# Allegro board gps_interface_boardv46ph.brd (continued)
## Routing (per net, layer and track width the routed paths; a pad name or vN(x,y) marks a point on that pad's centre or on a via; arc(x,y) is an arc through that point) (continued)
  BOTTOM w0.33: J8.G24 v1(147.96,11.14)
FMC.CLK_FILTER_A: length 122.2
  TOP w0.203: U18.16 103.19,35.35 102.87,35.66 102.87,41.05 v1(101.63,42.29) ; v1(93.57,120.19) 93.57,131.95 91.16,134.37 81.71,134.37 U1.1
  BOTTOM w0.203: v1(101.63,42.29) 92.23,42.29 91.39,43.12 91.39,102.32 93.57,104.5 v1(93.57,120.19)
FMC.CLK_FILTER_B: length 148.3
  TOP w0.203: v1(104.49,41.06) 103.76,40.33 103.76,38.99 104.49,38.26 U18.14 ; U1.6 76.15,133.99 76.15,138.96 78.05,140.87 86.28,140.87 90.27,136.88 92.18,136.88 96.7,132.36 96.7,120.47 95.68,119.46 92.79,119.46 v1(92.76,119.48)
  BOTTOM w0.203: v1(92.76,119.48) 92.76,105.18 90.74,103.16 90.74,42.16 91.84,41.06 v1(104.49,41.06)
FMC.CLK_FROM_FPGA_N: length 153.7
  TOP w0.33: v1(165.74,11.14) 165.74,11.76 166.1,12.13 166.1,13.12 164.82,14.4 164.82,28.96 177.85,41.99 177.85,43.71 v1(177.46,44.1) ; v1(98.64,53.54) 98.2,53.98 98.2,63.22 98.83,63.86 98.83,71.84 100.2,73.2 102.45,73.2 102.75,72.9 C2736.1
  SIG w0.203: v1(98.64,53.54) 98.13,53.04 98.13,47.43 101.9,43.66 172.95,43.66 174.12,42.49 177.32,42.49 177.95,43.13 177.95,43.3 177.96,43.31 177.96,43.6 v1(177.46,44.1)
  BOTTOM w0.33: J8.G10 v1(165.74,11.14)
FMC.CLK_FROM_FPGA_P: length 156.1
  TOP w0.33: C2735.1 102.75,74.04 102.45,73.74 99.97,73.74 98.3,72.06 98.3,64.08 97.66,63.44 97.66,53.98 v1(97.22,53.54) ; v1(178.87,44.1) 178.78,44.1 178.38,43.71 178.38,41.77 165.35,28.74 165.35,14.62 166.64,13.34 166.64,12.13 167,11.76 v1(167,11.14)
  SIG w0.203: v1(178.87,44.1) 178.37,43.6 178.37,43.14 178.36,43.13 178.36,42.96 177.49,42.09 173.95,42.09 172.78,43.26 101.74,43.26 97.73,47.27 97.73,53.04 v1(97.22,53.54)
  BOTTOM w0.33: J8.G9 v1(167,11.14)
FMC.CLK_GEN_INTR*: length 54.8
  TOP w0.203: v1(106.3,78.33) 106.5,78.13 U48.12 ; U17.4 113.28,37.54 113.69,37.95 113.69,39.07 v1(113.28,39.47)
  BOTTOM w0.203: v1(106.3,78.33) 106.48,78.16 109.78,78.16 110.54,77.39 112.37,77.39 112.7,77.06 112.7,70 111.58,68.88 111.58,41.17 v1(113.28,39.47)
FMC.CLK_GEN_LOL*: length 85.2
  TOP w0.203: U48.47 122.15,83.13 122.43,83.41 v1(125.37,83.41) ; U17.5 v1(112.63,38.25)
  SIG w0.203: v1(125.37,83.41) 122.25,83.41 121.23,82.4 104.09,82.4 101.4,79.71 101.4,67.69 v1(105.02,64.07)
  BOTTOM w0.203: v1(112.63,38.25) 109.47,41.41 109.47,49.3 105.51,53.26 105.51,57.35 101.8,61.06 101.8,62.82 Q1.1 v1(105.02,64.07)
FMC.CLK_GEN_RST*: length 85.6
  TOP w0.203: v1(98.96,43.74) 104.7,43.74 106.55,41.88 106.55,40.08 105.69,39.22 105.69,37.26 105.79,37.17 U18.12 ; v1(104.98,81.13) U48.6
  BOTTOM w0.203: v1(98.96,43.74) 92.76,43.74 92.15,44.35 92.15,84.89 93.79,86.53 101.05,86.53 104.98,82.6 v1(104.98,81.13)
FMC.CLK_TO_FPGA_N: length 128.6
  TOP w0.203: 125.07,80.7 125,80.76 122.11,80.76 121.26,81.62 120.28,81.62 120.26,81.63 U48.44
  TOP w0.33: 125.07,80.7 126.54,79.22 126.54,56.63 124.21,54.3 124.21,42.55 v1(123.85,42.19) ; v1(174.62,11.04) 174.62,11.37 175.92,12.67 175.92,29.96 v1(175.48,30.4)
  SIG w0.203: v1(175.48,30.4) 175.98,30.91 175.98,35.65 172.67,38.96 125.73,38.96 124.28,40.41 124.28,41.75 v1(123.85,42.19)
  BOTTOM w0.33: J8.G3 v1(174.62,11.04)
FMC.CLK_TO_FPGA_P: length 129.2
  TOP w0.203: U48.45 120.26,82.13 120.28,82.15 121.3,82.15 122.28,81.17 125.35,81.17
  TOP w0.33: v1(125.12,42.19) 124.74,42.57 124.74,54.08 127.08,56.41 127.08,79.44 125.35,81.17 ; v1(176.89,30.4) 176.45,29.96 176.45,12.45 175.9,11.89 v1(175.9,11.04)
  SIG w0.203: v1(125.12,42.19) 124.69,41.75 124.69,40.58 125.9,39.37 172.84,39.37 176.39,35.82 176.39,30.91 v1(176.89,30.4)
  BOTTOM w0.33: J8.G2 v1(175.9,11.04)
FMC.DATA_TO_FF_N0: length 162.1
  TOP w0.178: 278.68,83.76 279.64,83.76 279.66,83.77 U22.3
  TOP w0.33: 278.68,83.76 277.07,83.76 275.36,82.05 275.36,65.11 276,64.47 276.47,64.47 v1(276.91,64.9)
  BOTTOM w0.33: J8.H8 168.64,13.7 168.64,26.23 180.39,37.97 241.64,37.97 268.13,64.47 276.47,64.47 v1(276.91,64.9)
FMC.DATA_TO_FF_N1: length 156.1
  TOP w0.178: U26.3 257.59,83.87 257.57,83.86 256.6,83.86
  TOP w0.33: v1(262.1,66.48) 261.66,66.04 256.89,66.04 252.58,70.35 252.58,77.5 254.36,79.28 254.36,83.22 255,83.86 256.6,83.86
  BOTTOM w0.33: J8.H11 164.83,13.7 164.83,25.69 179.73,40.59 234.75,40.59 260.2,66.04 261.66,66.04 v1(262.1,66.48)
FMC.DATA_TO_FF_N2: length 134.8
  TOP w0.178: U30.3 235.28,83.87 235.27,83.86 234.3,83.86
  TOP w0.33: v1(235.69,57.77) 235.25,57.33 233.25,57.33 230.89,59.69 230.89,82.05 232.69,83.86 234.3,83.86
  BOTTOM w0.33: J8.H14 161.02,13.7 161.02,25.71 178.34,43.03 218.14,43.03 232.44,57.33 235.25,57.33 v1(235.69,57.77)
FMC.DATA_TO_FF_N3: length 114.2
  TOP w0.178: U34.3 206.07,83.87 206.06,83.86 205.09,83.86
  TOP w0.33: v1(206.78,57.59) 206.34,57.15 201.88,57.15 198.37,60.66 198.37,76.1 202.84,80.57 202.84,83.22 203.48,83.86 205.09,83.86
  BOTTOM w0.33: J8.H17 157.21,13.7 157.21,25.89 181.36,50.04 193.55,50.04 200.66,57.15 206.34,57.15 v1(206.78,57.59)
FMC.DATA_TO_FF_N4: length 106.3
  TOP w0.178: 182.79,83.86 183.76,83.86 183.77,83.87 U38.3
  TOP w0.33: 182.79,83.86 181.18,83.86 179.15,81.82 179.15,64.76 186.78,57.12 192.7,57.12 v1(193.14,57.56)
  BOTTOM w0.33: v1(193.14,57.56) 192.7,57.12 184.63,57.12 153.4,25.9 153.4,13.7 J8.H20
FMC.DATA_TO_FF_N5: length 113.1
  TOP w0.178: 160.67,83.86 161.63,83.86 161.65,83.87 U42.3
  TOP w0.33: v1(181.33,57.64) 180.89,57.2 160.72,57.2 156.82,61.1 156.82,81.62 159.06,83.86 160.67,83.86
  BOTTOM w0.33: v1(181.33,57.64) 180.89,57.2 177.33,57.2 149.59,29.47 149.59,13.7 J8.H23
FMC.DATA_TO_FF_P0: length 163
  TOP w0.178: U22.2 279.66,84.27 279.64,84.29 278.68,84.29
  TOP w0.33: 278.68,84.29 276.85,84.29 274.83,82.27 274.83,64.89 275.78,63.93 276.47,63.93 v1(276.91,63.49)
  BOTTOM w0.33: 169.54,13.34 169.18,13.7 169.18,26 180.61,37.44 241.86,37.44 268.35,63.93 276.47,63.93 v1(276.91,63.49)
FMC.DATA_TO_FF_P1: length 157
  TOP w0.178: U26.2 257.59,84.37 257.57,84.39 256.6,84.39
  TOP w0.33: v1(262.1,65.07) 261.66,65.51 256.67,65.51 252.04,70.13 252.04,77.72 253.82,79.5 253.82,83.44 254.77,84.39 256.6,84.39
  BOTTOM w0.33: v1(262.1,65.07) 261.66,65.51 260.42,65.51 234.97,40.06 179.95,40.06 165.37,25.47 165.37,13.7 J8.H10
FMC.DATA_TO_FF_P2: length 135.7
  TOP w0.178: U30.2 235.28,84.37 235.27,84.39 234.3,84.39
  TOP w0.33: v1(235.69,56.35) 235.25,56.79 233.03,56.79 230.35,59.47 230.35,82.27 232.47,84.39 234.3,84.39
  BOTTOM w0.33: v1(235.69,56.35) 235.25,56.79 232.66,56.79 218.36,42.49 178.56,42.49 161.56,25.49 161.56,13.7 J8.H13
FMC.DATA_TO_FF_P3: length 115.1
  TOP w0.178: 205.09,84.39 206.06,84.39 206.07,84.37 U34.2
  TOP w0.33: v1(206.78,56.18) 206.34,56.62 201.66,56.62 197.84,60.43 197.84,76.32 202.31,80.79 202.31,83.44 203.26,84.39 205.09,84.39
  BOTTOM w0.33: v1(206.78,56.18) 206.34,56.62 200.88,56.62 193.77,49.5 181.58,49.5 157.75,25.67 157.75,13.7 J8.H16
FMC.DATA_TO_FF_P4: length 107.2
  TOP w0.178: 182.79,84.39 183.76,84.39 183.77,84.37 U38.2
  TOP w0.33: v1(193.14,56.15) 192.7,56.59 186.56,56.59 178.61,64.54 178.61,82.04 180.96,84.39 182.79,84.39
  BOTTOM w0.33: J8.H19 153.94,13.7 153.94,25.67 184.85,56.59 192.7,56.59 v1(193.14,56.15)
FMC.DATA_TO_FF_P5: length 114
  TOP w0.178: U42.2 161.65,84.37 161.63,84.39 160.67,84.39
  TOP w0.33: 160.67,84.39 158.84,84.39 156.29,81.84 156.29,60.88 160.5,56.67 180.89,56.67 v1(181.33,56.23)
  BOTTOM w0.33: v1(181.33,56.23) 180.89,56.67 177.55,56.67 150.13,29.25 150.13,13.7 J8.H22
FMC.FPGA_CLK_FILTER_A: length 91.9
  TOP w0.203: v1(100.97,24.82) 100.97,27.97 101.57,28.57 U18.1
  SIG w0.203: v1(160.66,6.06) 161.14,5.58 161.14,3.25 158.75,0.86 105.71,0.86 100.97,5.61 v1(100.97,24.82)
  BOTTOM w0.33: J8.C14 v1(160.66,6.06)
FMC.FPGA_CLK_FILTER_B: length 85.2
  TOP w0.203: v1(103.59,23.77) 104.49,24.67 U18.3
  SIG w0.203: v1(103.59,23.77) 103.59,12.54 104.93,11.2 104.93,3.2 106.63,1.5 156.31,1.5 159.44,4.62 159.44,6.01 v1(159.38,6.06)
  BOTTOM w0.33: 159.38,6.99 v1(159.38,6.06)
FMC.FPGA_CLK_GEN_INTR*: length 49.1
  TOP w0.203: U17.11 113.28,27.87 112.45,27.03 112.45,24.1 113.66,22.89 117.53,22.89 123.9,16.51 123.9,9.96 126.36,7.49 142.71,7.49 v1(144.15,6.06)
  BOTTOM w0.33: J8.C27 v1(144.15,6.06)
FMC.FPGA_CLK_GEN_LOL*: length 74.3
  TOP w0.203: U17.10 112.63,28.14 111.73,27.24 111.73,23.72 v1(110.98,22.96)
  SIG w0.203: v1(165.74,6.06) 164.66,7.14 155.57,7.14 155.27,6.83 138.84,6.83 138.81,6.81 134.54,6.81 134.21,7.14 125.86,7.14 120.29,12.7 113.11,12.7 110.98,14.83 v1(110.98,22.96)
  BOTTOM w0.33: J8.C10 v1(165.74,6.06)
FMC.FPGA_CLK_GEN_RST*: length 57.8
  TOP w0.203: U18.5 105.79,22.94 108.86,19.86 119,19.86 123.27,15.6 123.27,9.58 125.83,7.01 142.19,7.01 144.07,5.13 144.98,5.13 145.41,5.56 v1(145.41,6.06)
  BOTTOM w0.33: J8.C26 v1(145.41,6.06)
FMC.FPGA_GPS_CLK_EN*: length 85.9
  TOP w0.203: U18.4 v1(105.14,20.24)
  SIG w0.203: v1(164.47,6.06) 163.82,6.71 157.23,6.71 152.63,2.11 110.21,2.11 107.34,4.98 107.34,11.94 105.14,14.14 v1(105.14,20.24)
  BOTTOM w0.33: J8.C11 v1(164.47,6.06)
FMC.FPGA_I2C_EXT_INT0*: length 71.7
  TOP w0.203: U17.13 114.58,27.33 114.22,26.97 114.22,25.83 v1(114.76,25.3)
  SIG w0.203: v1(160.66,9.18) 160.67,9.18 161.42,9.93 161.42,10.72 160.91,11.23 160.91,11.73 160.32,12.32 153.85,12.32 153.64,12.12 153.64,10.29 154.18,9.75 154.18,8.61 153.59,8.03 137.08,8.03 135.69,9.42 135.69,12.57 134.77,13.49 134.77,18.26 133.78,19.25 127.2,19.25 126.21,20.24 122.63,20.24 121.41,21.46 121.41,23.02 119.13,25.3 v1(114.76,25.3)
  BOTTOM w0.33: J8.D14 v1(160.66,9.18)
FMC.FPGA_I2C_EXT_INT1*: length 68
  TOP w0.203: v1(113.31,25.3) 113.31,26.98 113.93,27.6 U17.12
  SIG w0.203: v1(159.38,9.18) 159.38,10.06 160.12,10.79 160.12,11.61 159.82,11.91 157.28,11.91 154.58,9.22 154.58,8.48 153.72,7.62 138.48,7.62 138.46,7.59 136.7,7.59 135.05,9.25 135.05,12.22 133.99,13.28 131.75,13.28 130.43,14.61 130.43,15.7 128.57,17.55 122.38,17.55 120.4,19.53 120.4,22.24 118.12,24.51 114.1,24.51 v1(113.31,25.3)
  BOTTOM w0.33: 159.38,8.26 v1(159.38,9.18)
FMC.FPGA_I2C_EXT_RST*: length 74.1
  TOP w0.203: v1(108,22.17) 106.44,23.74 U18.6
  SIG w0.203: v1(108,22.17) 108,6.55 111.84,2.72 152.24,2.72 v1(155.57,6.06)
  BOTTOM w0.33: J8.C18 v1(155.57,6.06)
FMC.FPGA_I2C_SW_RST*: length 66.5
  TOP w0.203: v1(108.69,25.5) 107.29,25.5 107.09,25.7 U18.7
  SIG w0.203: v1(108.69,25.5) 110.32,25.5 112.92,22.91 112.92,16.22 116.03,13.11 120.8,13.11 126.36,7.54 134.34,7.54 134.67,7.21 154.99,7.21 155.45,7.67 156.34,7.67 156.84,8.18 v1(156.84,9.18)
  BOTTOM w0.33: J8.D17 v1(156.84,9.18)
FMC.FPGA_IO_VOLTAGE: length 98.6
  TOP w0.17: v1(86.46,5.97) 86.46,5.38 86.44,5.36 R78.1
  TOP w0.203: R78.1 87.27,4.87 87.76,5.36 88.82,5.36 89.14,5.05 U15.1 U15.6 ; Q11.1 85.84,9.87 86.46,9.25 v1(86.46,5.97)
  TOP w0.305: 127.64,15.82 129.07,17.26 C105.1 129.07,21.04 129.06,21.05 C107.1 C106.1
  TOP w0.33: v1(127.64,14.26) 127.64,15.82
  SIG w0.203: v1(128.91,11.14) 124.17,11.14 118.95,16.36 118.95,20.35 115.93,23.37 113.74,23.37 111.79,25.32 111.79,27.43 111.15,28.07 100.1,28.07 96.85,24.82 96.85,8.31 94.87,6.32 86.82,6.32 v1(86.46,5.97)
  BOTTOM w0.33: v1(127.64,14.26) J8.H40 J8.G39 v1(128.91,11.14)
FMC.GPS_CLK_COPY_N: length 277.5
  TOP w0.203: U1.9 79.84,130.35 79.79,130.3 79.79,129.48 78.28,127.97 78.28,126.85 v1(78.72,126.41)
  TOP w0.33: v1(170.6,24.49) 171.04,24.05 171.04,20.37 168.63,17.96 168.63,15.11 169.91,13.83 169.91,12.13 169.54,11.76 v1(169.54,11.14)
  BOTTOM w0.33: v1(78.72,126.41) 78.72,125.79 78.35,125.42 78.35,124.75 77.7,124.1 72.59,124.1 71.65,123.17 71.65,27.41 96.82,2.24 180.59,2.24 181.74,3.38 181.74,17.36 180.5,18.59 173.26,18.59 171.04,20.81 171.04,24.05 v1(170.6,24.49) ; 169.54,12.06 v1(169.54,11.14)
FMC.GPS_CLK_COPY_P: length 279.3
  TOP w0.203: v1(77.44,126.41) 77.88,126.85 77.88,128.14 79.38,129.65 79.38,130.3 79.34,130.35 U1.8
  TOP w0.33: v1(172.02,24.49) 171.58,24.05 171.58,20.15 169.16,17.74 169.16,15.33 170.45,14.05 170.45,12.13 170.81,11.76 v1(170.81,11.14)
  BOTTOM w0.33: J8.G6 v1(170.81,11.14) ; v1(172.02,24.49) 171.58,24.05 171.58,21.03 173.48,19.13 180.72,19.13 182.27,17.58 182.27,3.16 180.81,1.7 96.6,1.7 71.12,27.19 71.12,123.39 72.36,124.64 77.48,124.64 77.81,124.97 77.81,125.42 77.44,125.79 v1(77.44,126.41)
FMC.GPS_CLK_EN*: length 120.7
  TOP w0.203: v1(105.13,39.83) 105.13,39.63 105.14,39.63 U18.13 ; U1.12 81.34,130.14 81.76,129.72 R1.1 82.32,129.71 v1(82.32,128.6)
  BOTTOM w0.203: v1(82.32,128.6) 82.32,124.61 82.52,124.41 89.69,124.41 90.42,123.67 90.42,119.36 92.02,117.76 92.02,106.02 89.9,103.89 89.9,41.5 91.57,39.83 v1(105.13,39.83)
FMC.GPS_IRIGB: length 283.4
  TOP w0.17: U47.7 63.13,128.06 v1(61.93,126.85)
  SIG w0.203: v1(155.57,9.18) 155.57,9.35 156.11,9.88 157.2,9.88 157.58,9.5 157.58,8.48 158.37,7.7 164.36,7.7 165.43,8.76 165.43,10.11 164.57,10.97 164.57,12.47 164.13,12.9 153.47,12.9 153.09,12.52 153.09,10.21 153.77,9.53 153.77,8.81 153.37,8.41 137.46,8.41 136.25,9.63 136.25,13.23 135.48,14 135.48,21.01 134.65,21.84 124.61,21.84 121.97,24.49 121.97,25.63 118.52,29.08 95.91,29.08 94.44,30.56 94.44,70.97 86.54,78.87 56.95,78.87 54.53,76.45 33.58,76.45 30.91,79.12 30.91,82.22 31.88,83.19 31.88,85.24 61.93,115.29 v1(61.93,126.85)
  BOTTOM w0.33: J8.D18 v1(155.57,9.18)
FMC.GPS_PPS_N: length 238.3
  TOP w0.33: R14.1 39.76,126.5 R12.2 41.41,125.74 41.83,125.32 41.83,114.87 86.23,70.47 86.23,22.94 108.51,0.66 166.95,0.66 170.48,4.19 170.48,8.8 174.98,13.29 174.98,15.89 174.24,16.64 173.1,16.64 172.45,15.99 172.45,15.25 172.09,14.88 v1(172.09,14.26)
  BOTTOM w0.33: J8.H5 v1(172.09,14.26)
FMC.GPS_PPS_P: length 234.8
  TOP w0.33: R13.1 44.48,126.5 R11.2 42.78,125.74 42.36,125.32 42.36,115.09 86.77,70.69 86.77,23.16 108.73,1.19 166.73,1.19 169.95,4.41 169.95,9.02 174.45,13.51 174.45,15.67 174.02,16.1 173.32,16.1 172.99,15.77 172.99,15.25 173.35,14.88 v1(173.35,14.26)
  BOTTOM w0.33: J8.H4 v1(173.35,14.26)
FMC.GPS_SYNC_OUT_N: length 288.5
  TOP w0.33: R18.1 14.38,126.5 R16.2 16.09,125.74 16.53,125.29 16.53,123.04 18.11,121.46 27.93,121.46 29.84,123.38 29.84,145.93 32.38,148.46 49.87,148.46 52.58,145.75 52.58,107.5 88.01,72.07 88.01,29.54 104.5,13.06 104.5,9.73 111.12,3.1 153.69,3.1 154.76,4.17 154.76,9.52 154.09,10.19 152.77,10.19 v1(151.76,9.18)
  BOTTOM w0.33: 151.76,8.26 v1(151.76,9.18)
FMC.GPS_SYNC_OUT_P: length 284.4
  TOP w0.33: v1(153.03,9.18) 153.03,9.32 153.37,9.65 153.87,9.65 154.23,9.3 154.23,4.39 153.47,3.63 111.35,3.63 105.03,9.95 105.03,13.28 88.54,29.76 88.54,72.29 53.11,107.72 53.11,145.97 50.09,149 32.16,149 29.31,146.15 29.31,123.6 27.71,122 18.33,122 17.06,123.26 17.06,125.29 17.51,125.74 R15.2 18.98,126.5 19.16,126.5 R17.1
  BOTTOM w0.33: J8.D20 v1(153.03,9.18)
FMC.I2C_EXT_INT0*: length 122.2
  TOP w0.203: U17.2 114.58,33.48 114.8,33.26 116.59,33.26 116.81,33.48 v1(128.6,33.48) ; U53.1 221.82,10.58 221.82,10.58 v1(221.82,10.08)
  SIG w0.203: v1(221.82,10.08) 217.73,14.17 201.42,14.17 198.83,16.76 187.15,16.76 183.21,20.7 172.59,20.7 159.82,33.48 v1(128.6,33.48)
  BOTTOM w0.203: v1(221.82,10.08) 221.16,9.42 R251.1
FMC.I2C_EXT_INT1*: length 109.9
  TOP w0.203: U17.3 113.93,33.21 114.76,32.38 v1(128.6,32.38) ; U52.1 v1(205.59,10.39)
  SIG w0.203: v1(205.59,10.39) 203.66,10.39 198.38,15.67 186.7,15.67 182.76,19.61 172.14,19.61 159.37,32.38 v1(128.6,32.38)
  BOTTOM w0.203: v1(204.39,5.82) 204.39,8.05 204.76,8.42 R252.1 205.82,9.12 205.59,9.35 v1(205.59,10.39)
FMC.I2C_EXT_RST*: length 153.9
  TOP w0.203: v1(220.2,13.27) 220.23,13.24 U53.3 ; U18.11 106.44,33.19 107.21,32.41 112.95,32.41 114.1,31.27 v1(128.6,31.27) ; U52.3 206.92,13.12 207.01,13.03 207.49,13.03 v1(207.65,12.88)
  SIG w0.203: v1(128.6,31.27) 158.9,31.27 171.68,18.49 182.3,18.49 186.23,14.55 197.92,14.55 199.31,13.16 199.31,11.81 201.68,9.45 206.81,9.45 207.65,10.29 v1(207.65,12.88)
  BOTTOM w0.203: 208.81,4.65 213.72,4.65 217.41,8.34 R245.1 219.38,12.45 v1(220.2,13.27) ; 208.81,4.65 v1(201.55,4.65) ; 208.81,4.65 208.81,7.98 208.37,8.42 R246.1 207.47,10.29 207.65,10.46 v1(207.65,12.88)
FMC.PG_1V8: length 14
  TOP w0.203: U102.6 94.99,90.68 v1(94.82,90.5)
  BOTTOM w0.203: v1(94.82,90.5) 94.82,96.27 96.11,97.56 96.11,98.88 96.5,99.27 Q7.1 97.21,100.61 97.22,100.62 R38.1
FMC.PWR_GOOD: length 188
  SIG w0.33: v1(179.25,6.17) 183.87,1.55 290.88,1.55 295.35,6.02 295.35,32.08 299.36,36.09 299.36,54.08 295.16,58.28 289.47,58.28 P2.3
  BOTTOM w0.33: 177.16,8.26 v1(179.25,6.17)
FMC.RECOV_ACLK_CLK_N: length 6.6
  TOP w0.203: 142.08,67.82 142.04,67.86 142.04,67.95 141.39,68.6 140.82,68.6 140.78,68.56 U104.25
  TOP w0.33: 142.08,67.82 142.34,67.56 144.93,67.56 145.75,66.75
FMC.RECOV_ACLK_CLK_P: length 6.9
  TOP w0.203: 142.46,68.2 142.42,68.24 142.33,68.24 141.56,69.01 140.82,69.01 140.78,69.06 U104.26
  TOP w0.33: 142.46,68.2 142.56,68.1 145.15,68.1 146.12,67.13
FMC.RECOV_ACLK_DATA_N: length 181.2
  TOP w0.203: U104.28 140.78,70.06 140.82,70.1 143.14,70.1 143.21,70.04 143.26,70.04
  TOP w0.33: 143.26,70.04 149.67,70.04 v1(150.11,69.6) ; v1(161.93,11.14) 161.9,11.11 161.9,8.51 163.27,7.14 166.73,7.14 168.35,5.51 168.35,4.32 166.5,2.46 110.16,2.46 102.69,9.93 102.69,10.68 v1(103.13,11.12)
  BOTTOM w0.33: J8.G13 v1(161.93,11.14) ; v1(103.13,11.12) 102.69,11.56 102.69,19.86 106.6,23.77 119.04,23.77 124.36,29.09 124.36,33.69 144.91,54.24 144.91,67.04 147.91,70.04 149.67,70.04 v1(150.11,69.6)
FMC.RECOV_ACLK_DATA_P: length 184.2
  TOP w0.203: U104.29 140.78,70.56 140.82,70.51 143.14,70.51 143.21,70.57 143.26,70.57
  TOP w0.33: v1(150.11,71.01) 149.67,70.57 143.26,70.57 ; v1(163.19,11.14) 163.19,10.54 162.43,9.78 162.43,8.73 163.49,7.67 166.95,7.67 168.88,5.73 168.88,4.1 166.72,1.93 109.94,1.93 102.16,9.71 102.16,10.68 v1(101.72,11.12)
  BOTTOM w0.33: v1(150.11,71.01) 149.67,70.57 147.69,70.57 144.37,67.26 144.37,54.46 123.83,33.91 123.83,29.31 118.82,24.31 106.38,24.31 102.16,20.08 102.16,11.56 v1(101.72,11.12) ; J8.G12 v1(163.19,11.14)
FMC.RECOV_DATA_N0: length 247.1
  TOP w0.33: J13.12 282.08,110.64 282.22,110.51 282.22,108.19 282.63,107.78 282.63,105.11 v1(282.19,104.67)
  SIG w0.203: v1(282.19,104.67) 282.69,104.17 282.69,99.96 286.4,96.25 297.28,96.25 297.48,96.05 TP56.1
  BOTTOM w0.33: J8.H26 145.78,13.7 145.78,29.05 176.98,60.25 250.83,60.25 258.96,68.38 287.22,68.38 292.89,74.04 292.89,86.39 282.63,96.65 282.63,104.23 v1(282.19,104.67)
FMC.RECOV_DATA_N1: length 208.2
  TOP w0.33: v1(260.11,104.62) 260.55,105.06 260.55,107.73 260.14,108.14 260.14,110.46 260.01,110.59 J14.12
  SIG w0.203: v1(260.11,104.62) 260.58,104.16 260.58,101.02 265.34,96.25 273.38,96.25 273.58,96.05 TP57.1
  BOTTOM w0.33: 141.6,13.34 141.97,13.7 141.97,28.29 176.19,62.51 185.34,62.51 198.07,75.23 198.07,84.38 204.11,90.42 215.7,90.42 218.82,87.3 230.68,87.3 235.1,91.72 245.54,91.72 247.75,89.51 254.05,89.51 260.55,96.01 260.55,104.18 v1(260.11,104.62)
FMC.RECOV_DATA_N2: length 188.9
  TOP w0.33: v1(237.81,104.62) 238.25,105.06 238.25,107.73 237.84,108.14 237.84,110.46 237.71,110.59 J18.12
  SIG w0.203: v1(237.81,104.62) 238.33,104.11 238.33,98.2 240.27,96.25 251,96.25 251.21,96.05 TP58.1
  BOTTOM w0.33: J8.H32 138.16,13.7 138.16,27.66 176.01,65.51 186.06,65.51 196.37,75.82 196.37,85.17 203.48,92.28 216.97,92.28 220.55,88.7 229.75,88.7 238.25,97.2 238.25,104.18 v1(237.81,104.62)
FMC.RECOV_DATA_N3: length 164.6
  TOP w0.33: v1(208.58,104.62) 209.02,105.06 209.02,107.73 208.61,108.14 208.61,110.46 208.47,110.59 J19.12
  SIG w0.203: TP59.1 223.85,96.05 223.65,96.25 211.42,96.25 209.08,98.59 209.08,104.12 v1(208.58,104.62)
  BOTTOM w0.33: J8.H35 134.35,13.7 134.35,27.08 175.57,68.3 186.04,68.3 194.11,76.37 194.11,92.7 198.23,96.82 206.41,96.82 209.02,99.43 209.02,104.18 208.7,104.5 v1(208.58,104.62)
FMC.RECOV_DATA_N4: length 143.8
  TOP w0.33: J20.12 186.17,110.59 186.31,110.46 186.31,108.14 186.72,107.73 186.72,105.06 v1(186.28,104.62)
  SIG w0.203: TP60.1 199.77,96.05 199.57,96.25 189.9,96.25 186.78,99.38 186.78,104.12 v1(186.28,104.62)
  BOTTOM w0.33: v1(186.28,104.62) 186.72,104.18 186.72,95.98 176.05,85.31 176.05,71.65 130.54,26.15 130.54,13.7 J8.H38
FMC.RECOV_DATA_N5: length 133.3
  TOP w0.33: v1(131.44,11.14) 131.44,11.76 131.81,12.13 131.81,13.38 130.81,14.38 130.81,25.04 154,48.23 154,84.75 164.59,95.34 164.59,98.86 ; v1(164.15,98.42) 164.59,98.86 ; 164.59,98.86 164.59,108.33 164.18,108.74 164.18,110.46 164.05,110.59 J21.12
  SIG w0.203: TP61.1 177.57,96.05 177.37,96.25 165.62,96.25 164.62,97.26 164.62,97.96 v1(164.15,98.42)
  BOTTOM w0.33: J8.G37 v1(131.44,11.14)
FMC.RECOV_DATA_P0: length 246.4
  TOP w0.33: v1(283.6,104.67) 283.16,105.11 283.16,108 282.75,108.41 282.75,110.51 282.88,110.64 J13.13
  SIG w0.203: TP50.1 297.48,98.04 297.48,96.86 297.28,96.66 286.57,96.66 283.1,100.13 283.1,104.17 v1(283.6,104.67)
  BOTTOM w0.33: v1(283.6,104.67) 283.16,104.23 283.16,96.88 293.42,86.61 293.42,73.82 287.44,67.84 259.18,67.84 251.05,59.72 177.2,59.72 146.32,28.83 146.32,13.7 J8.H25
FMC.RECOV_DATA_P1: length 207.6
  TOP w0.33: v1(261.53,104.62) 261.09,105.06 261.09,107.95 260.68,108.36 260.68,110.46 260.81,110.59 J14.13
  SIG w0.203: v1(261.53,104.62) 260.99,104.08 260.99,101.18 265.51,96.66 273.38,96.66 273.58,96.86 TP51.1
  BOTTOM w0.33: J8.H28 142.51,13.7 142.51,28.07 176.41,61.98 185.56,61.98 198.6,75.01 198.6,84.16 204.34,89.89 215.48,89.89 218.6,86.77 230.9,86.77 235.32,91.19 245.32,91.19 247.53,88.98 254.27,88.98 261.09,95.79 261.09,104.18 v1(261.53,104.62)
FMC.RECOV_DATA_P2: length 188.2
  TOP w0.33: J18.13 238.51,110.59 238.38,110.46 238.38,108.36 238.79,107.95 238.79,105.06 v1(239.23,104.62)
  SIG w0.203: v1(239.23,104.62) 238.73,104.13 238.73,98.36 240.44,96.66 251,96.66 251.21,96.86 TP52.1
  BOTTOM w0.33: J8.H31 138.7,13.7 138.7,27.44 176.23,64.97 186.28,64.97 196.9,75.6 196.9,84.95 203.7,91.74 216.75,91.74 220.33,88.16 229.97,88.16 238.79,96.98 238.79,104.18 v1(239.23,104.62)
FMC.RECOV_DATA_P3: length 163.9
  TOP w0.33: v1(209.99,104.62) 209.55,105.06 209.55,107.95 209.14,108.36 209.14,110.46 209.27,110.59 J19.13
  SIG w0.203: TP53.1 223.85,96.86 223.65,96.66 211.59,96.66 209.49,98.76 209.49,104.12 v1(209.99,104.62)
  BOTTOM w0.33: J8.H34 134.89,13.7 134.89,26.86 175.79,67.77 186.26,67.77 194.64,76.15 194.64,92.48 198.45,96.29 206.63,96.29 209.55,99.21 209.55,104.18 v1(209.99,104.62)
FMC.RECOV_DATA_P4: length 143.1
  TOP w0.33: J20.13 186.97,110.59 186.84,110.46 186.84,108.36 187.25,107.95 187.25,105.06 v1(187.69,104.62)
  SIG w0.203: v1(187.69,104.62) 187.19,104.12 187.19,99.55 190.07,96.66 199.57,96.66 199.77,96.86 199.77,98.04 TP54.1
  BOTTOM w0.33: J8.H37 131.08,13.7 131.08,25.92 176.58,71.43 176.58,85.09 187.25,95.76 187.25,104.18 v1(187.69,104.62)
FMC.RECOV_DATA_P5: length 132.6
  TOP w0.33: v1(132.72,11.14) 132.72,11.76 132.35,12.13 132.35,13.6 131.34,14.61 131.34,24.82 154.53,48.01 154.53,84.53 165.13,95.12 165.13,98.86 ; 165.13,98.86 165.13,108.55 164.72,108.96 164.72,110.46 164.85,110.59 J21.13 ; 165.13,98.86 v1(165.57,98.42)
  SIG w0.203: v1(165.57,98.42) 165.02,97.88 165.02,97.43 165.79,96.66 177.37,96.66 177.57,96.86 TP55.1
  BOTTOM w0.33: J8.G36 v1(132.72,11.14)
FMC.SCL0: length 405.8
  TOP w0.203: U53.22 215.94,13.26 217.81,13.26 219.15,11.91 219.15,8.71 217.3,6.86 198.3,6.86 196.52,8.64 196.52,12.06 197.57,13.12 U52.22 201.78,13.12 202.96,14.29 202.96,31.89 v1(202.56,32.28) ; U46.2 16.74,89.15 17.2,88.7 17.2,84.07 18.34,82.93 v1(30.25,82.93) ; U13.6 v1(68.2,42.75) ; U8.6 v1(30.25,60.68) ; v1(68.2,69.47) 66.65,69.47 66.03,68.85 U10.6 ; U19.5 87.14,111.29 83.41,115.01 80.19,115.01 TP45.1 v1(68.22,116.76) ; v1(108.81,73.33) 110.26,74.77 U48.16
  SIG w0.203: v1(202.56,32.28) 200.79,30.51 187.96,30.51 184.53,33.93 184.53,42.8 181.56,45.77 114.99,45.77 108.81,51.94 v1(108.81,65.58) ; v1(68.2,69.47) 68.2,60.48 67.39,59.66 31.26,59.66 v1(30.25,60.68) v1(30.25,82.93)
  BOTTOM w0.203: v1(108.81,65.58) v1(108.81,73.33) ; TP45.1 78.44,118.44 78.08,118.8 R90.2 ; v1(68.22,116.76) 68.22,116.27 68.2,116.24 v1(68.2,69.47) v1(68.2,42.75)
FMC.SCL1: length 294.8
  TOP w0.203: U19.7 86,109.99 84.51,111.48 80.21,111.48 TP43.1 ; J13.5 284.88,119.1 284.89,119.1 v1(284.89,118.85)
  SIG w0.33: v1(284.89,118.85) 286.61,120.57 287.25,120.57 289.79,123.11 289.79,131.08 284.34,136.53 274.66,136.53 271.84,133.71 268.75,133.71 263.82,138.63 252.08,138.63 249.65,141.07 244.26,141.07 242.56,139.37 227,139.37 221.72,144.65 215.21,144.65 210.46,139.9 203.45,139.9 199.01,144.35 189.89,144.35 185.45,139.9 181.15,139.9 176.66,144.4 169.57,144.4 164.87,139.7 154.13,139.7 149.86,135.43 138.28,135.43 133.99,139.73 107.04,139.73 100.15,132.84 100.15,115.86 99.74,115.44 80.92,115.44 78.71,113.23 TP43.1 78.44,113.23
  BOTTOM w0.203: R88.2 76.53,114.07 77.37,113.23 TP43.1
FMC.SCL2: length 273.9
  TOP w0.203: TP41.1 80.26,107.92 84.63,107.92 85.4,108.69 U19.9 ; v1(262.81,118.8) 262.81,119.05 262.81,119.05 J14.5
  SIG w0.33: v1(262.81,118.8) 264.87,120.85 265.71,120.85 266.73,121.87 266.73,132.02 262.7,136.04 251.19,136.04 249.11,133.96 246.12,133.96 242.86,137.21 226.11,137.21 220.82,142.49 216.11,142.49 211.36,137.74 202.56,137.74 198.11,142.19 190.78,142.19 186.34,137.74 180.26,137.74 175.76,142.24 170.46,142.24 165.77,137.54 155.02,137.54 150.75,133.27 137.38,133.27 133.09,137.57 107.93,137.57 102.31,131.95 102.31,114.32 99.9,111.91 80.92,111.91 78.71,109.7 TP41.1 78.44,109.7
  BOTTOM w0.203: TP41.1 77.43,109.7 76.76,110.38 76.76,112.17 75.03,113.89 R86.2
